# Altium PCB STM32_Serial_Ethernet.PcbDoc (part 1 of 2)
Units mm, origin at the board's own origin, x right, y up, seen from the top; angles counter-clockwise.
Board outline 88.65 x 49.28 mm, 4 copper layers (Signal, GND_1, GND_2, Signal/PWR), stack 1.608 mm thick; 121 components, 87 nets, 419 pads, 240 vias.
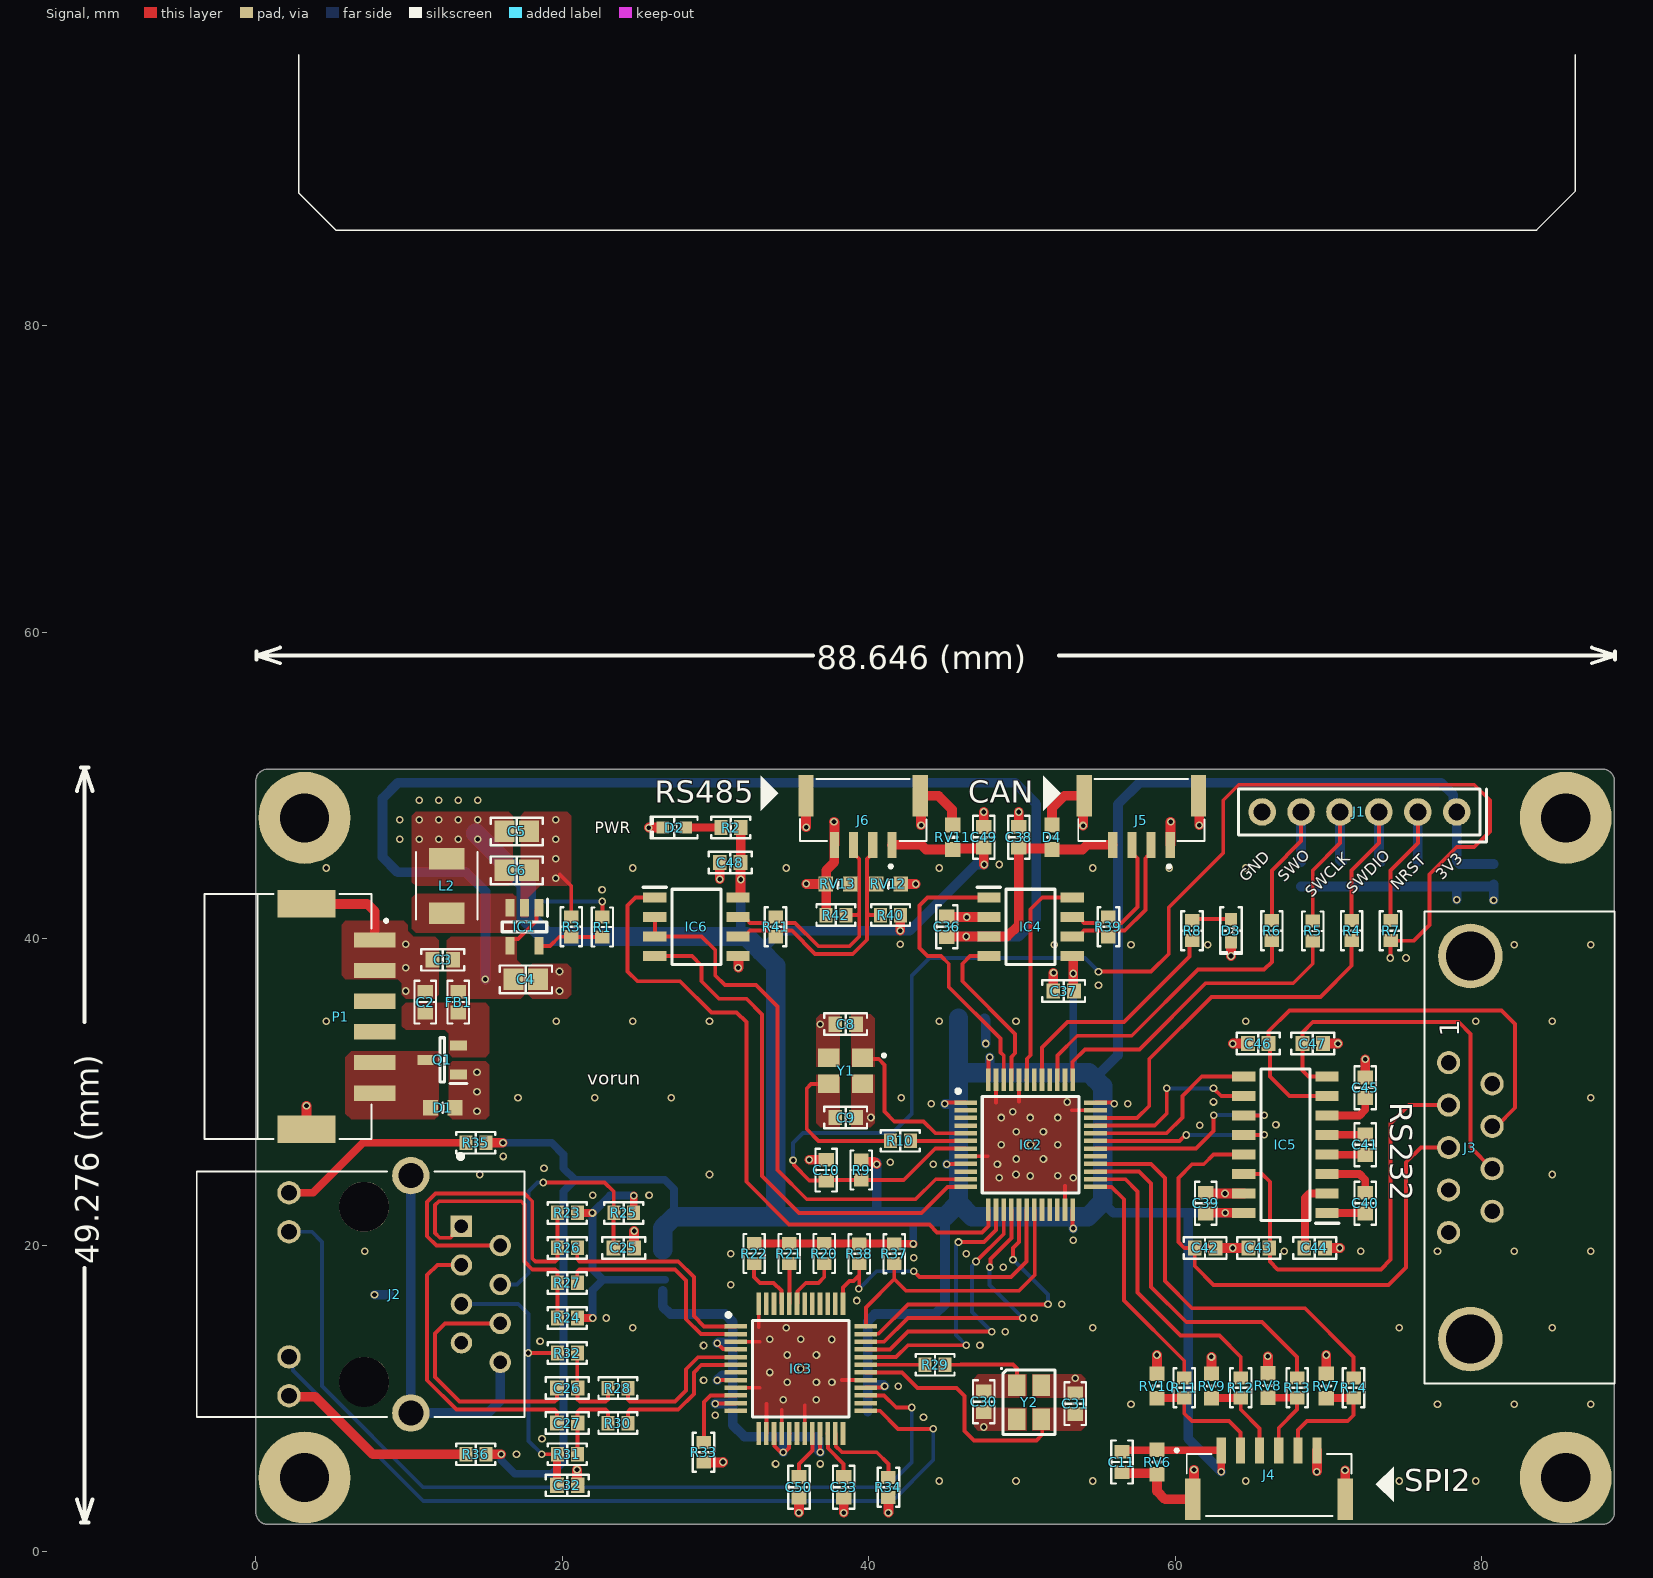
[diagram p0: Signal view]
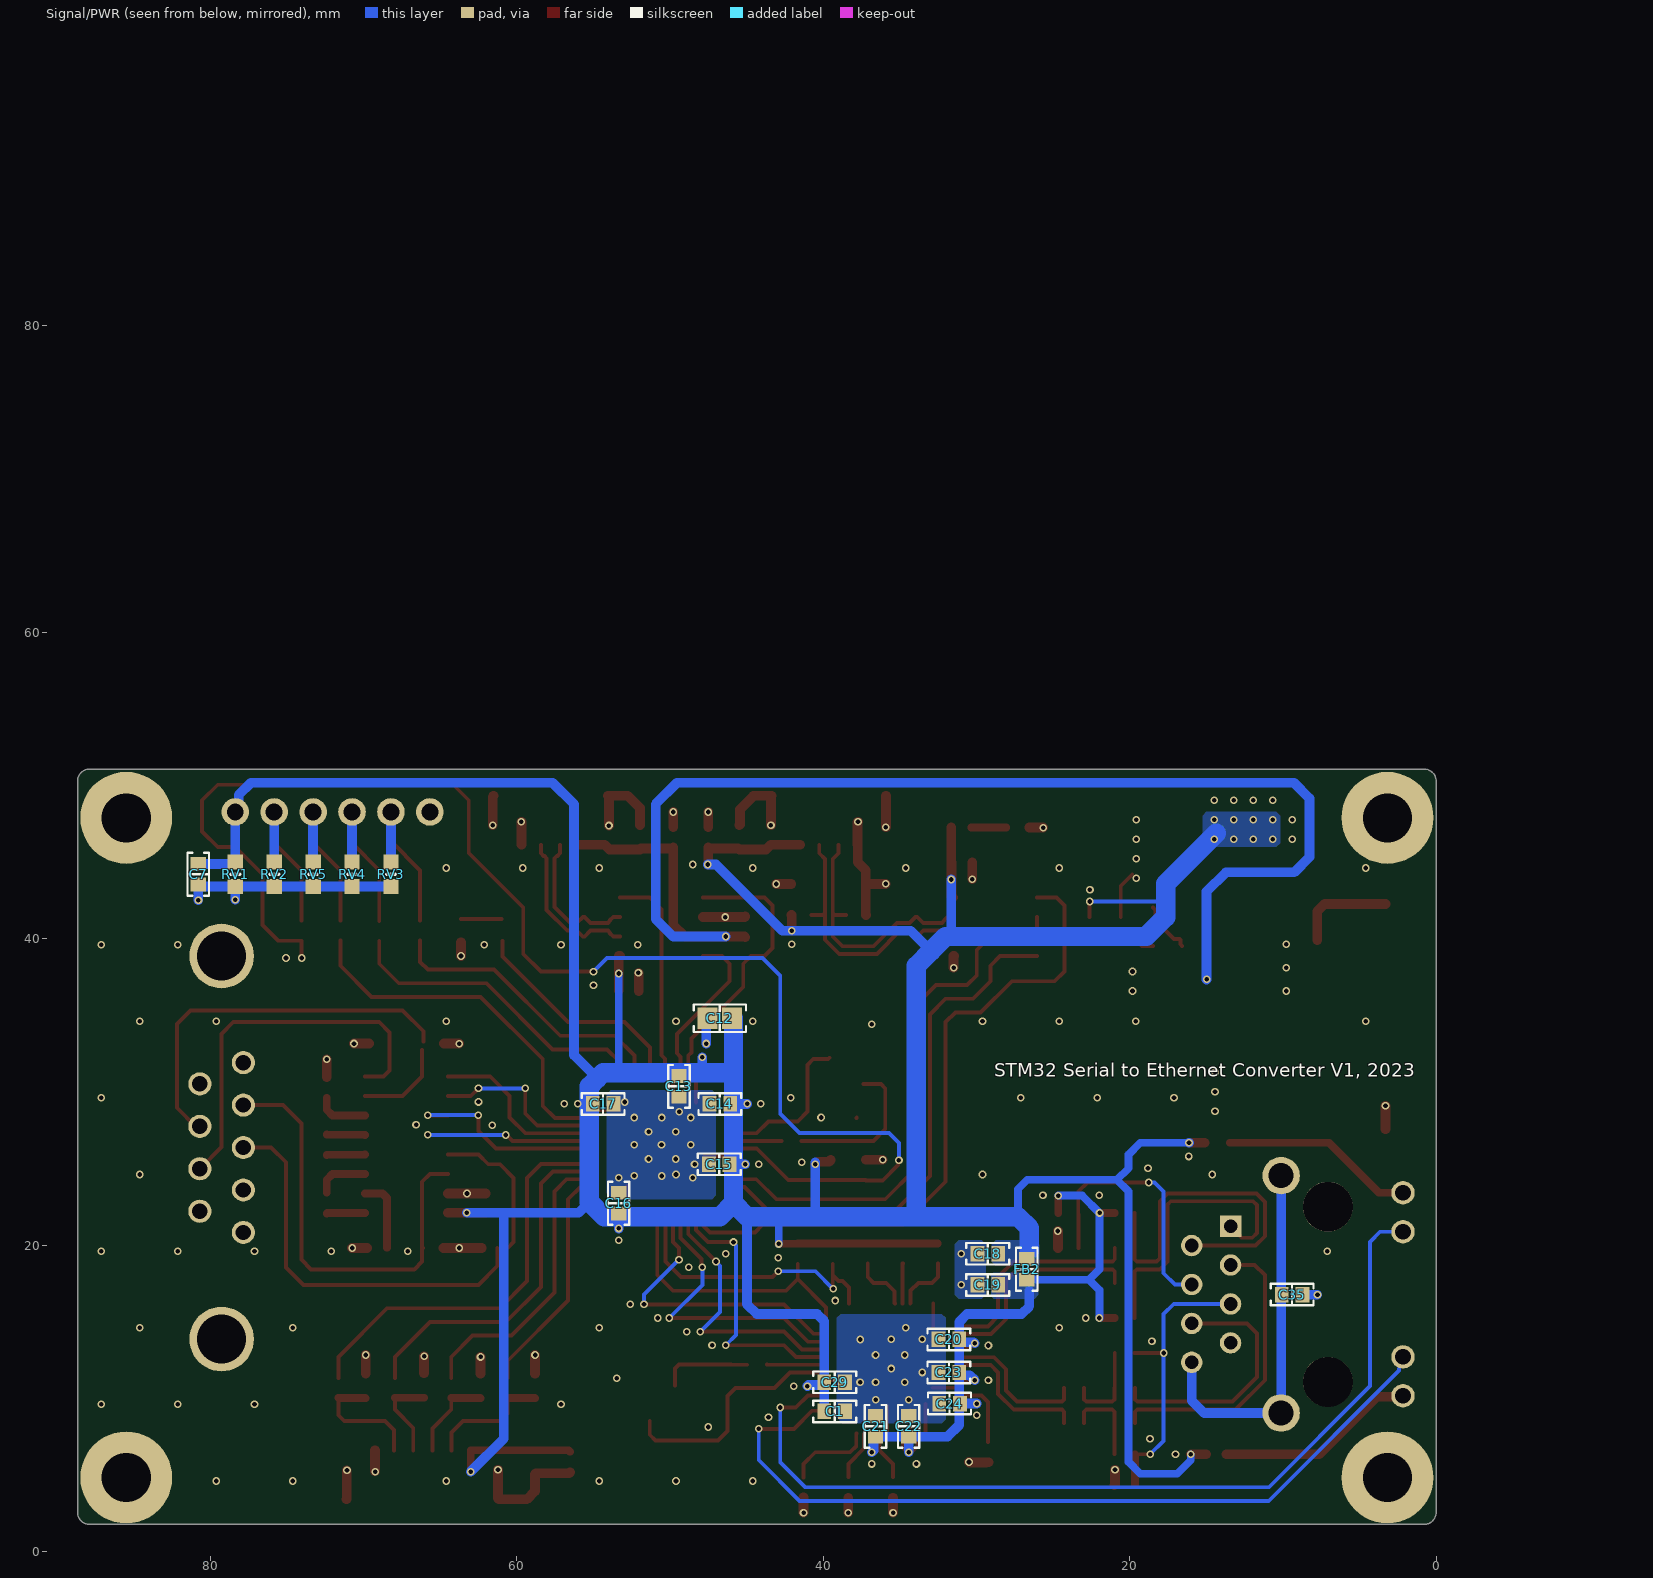
[diagram p1: Signal/PWR view, seen from below]
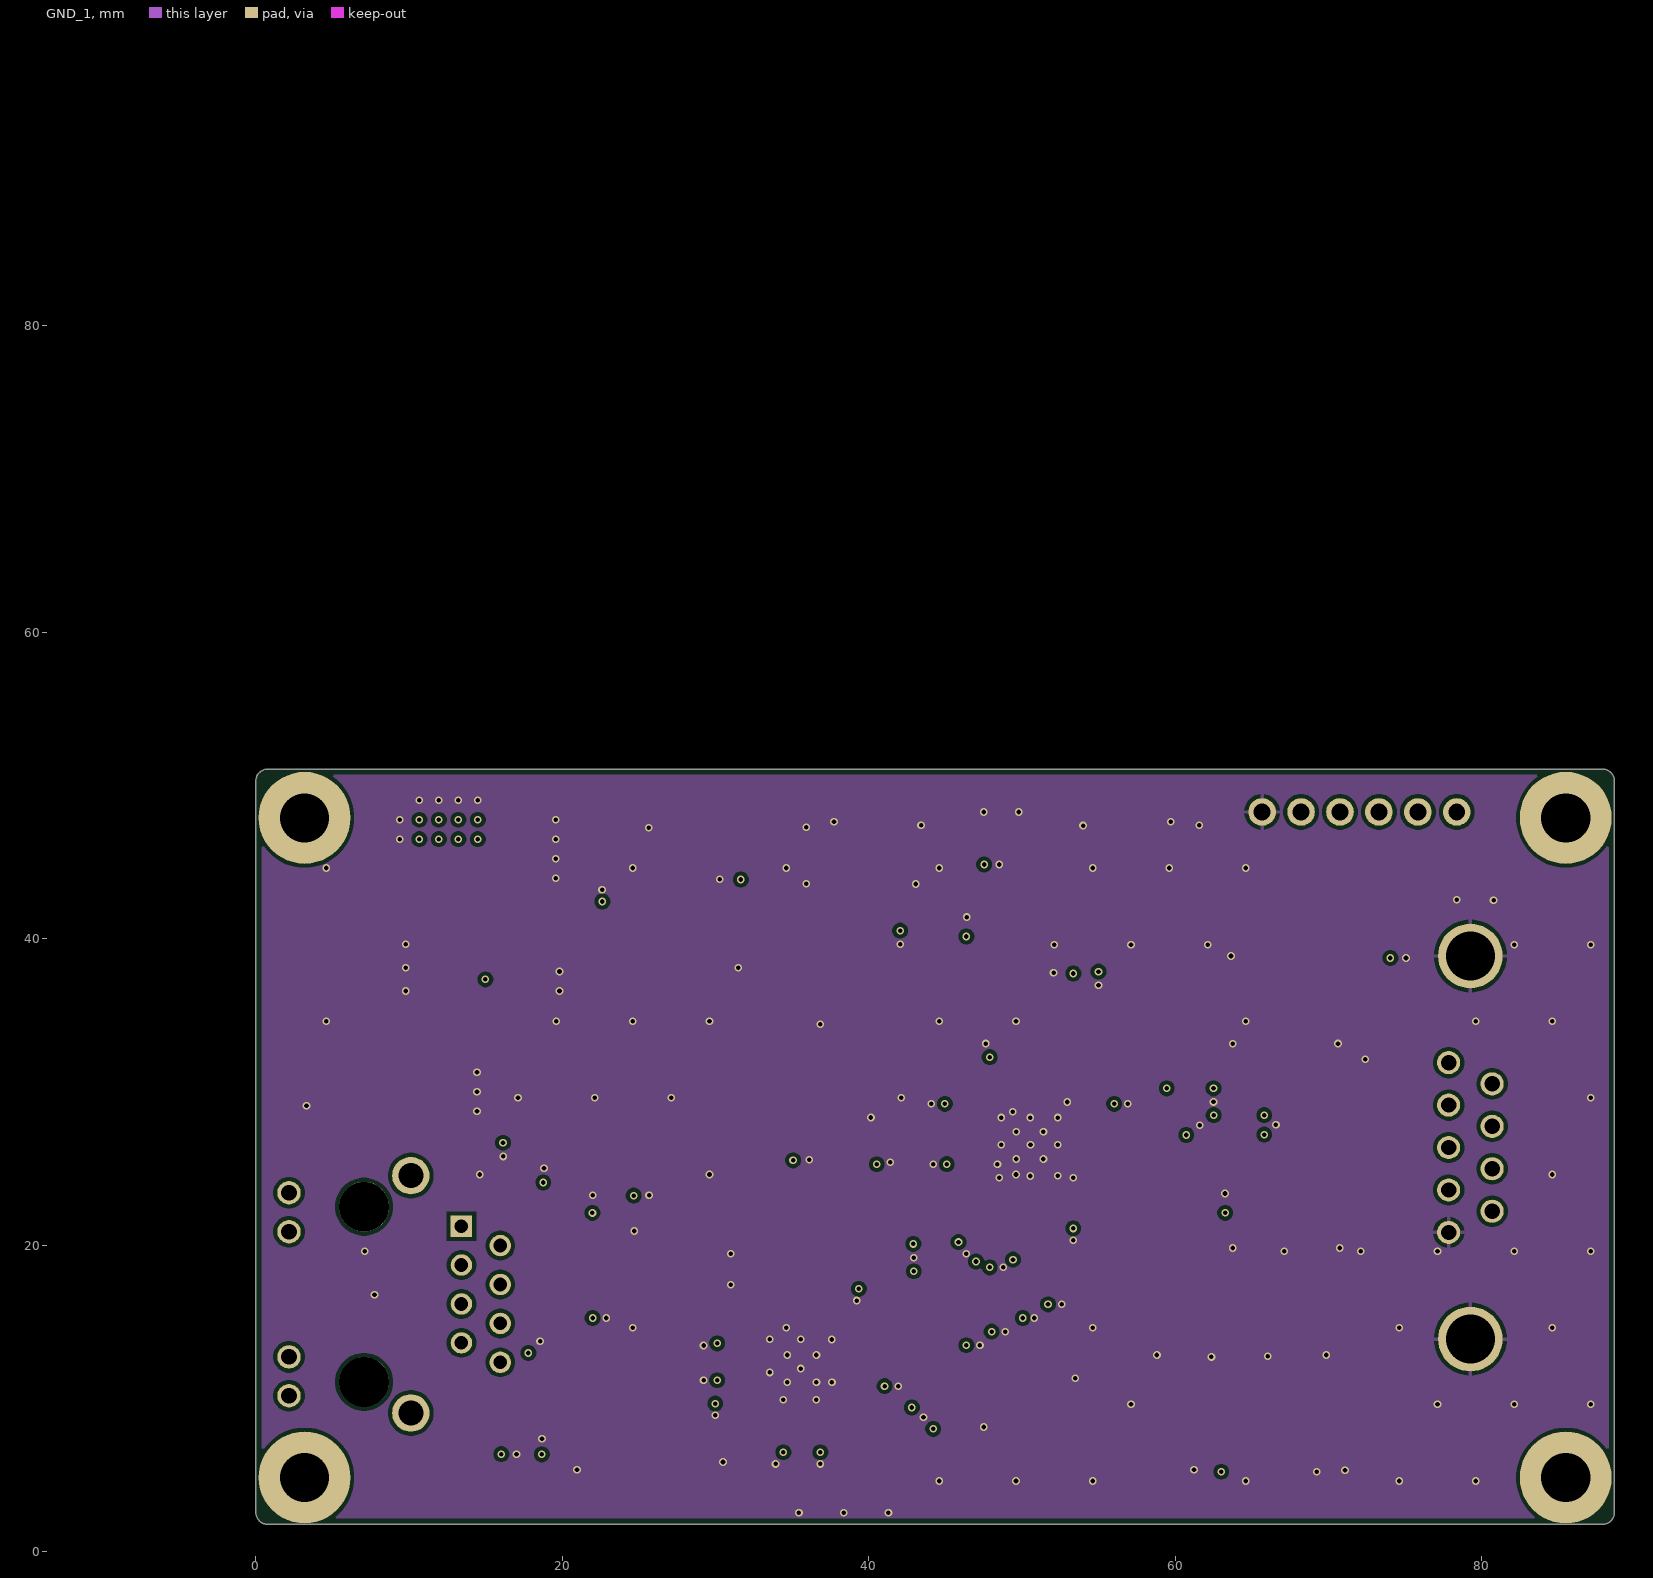
[diagram p2: GND_1]
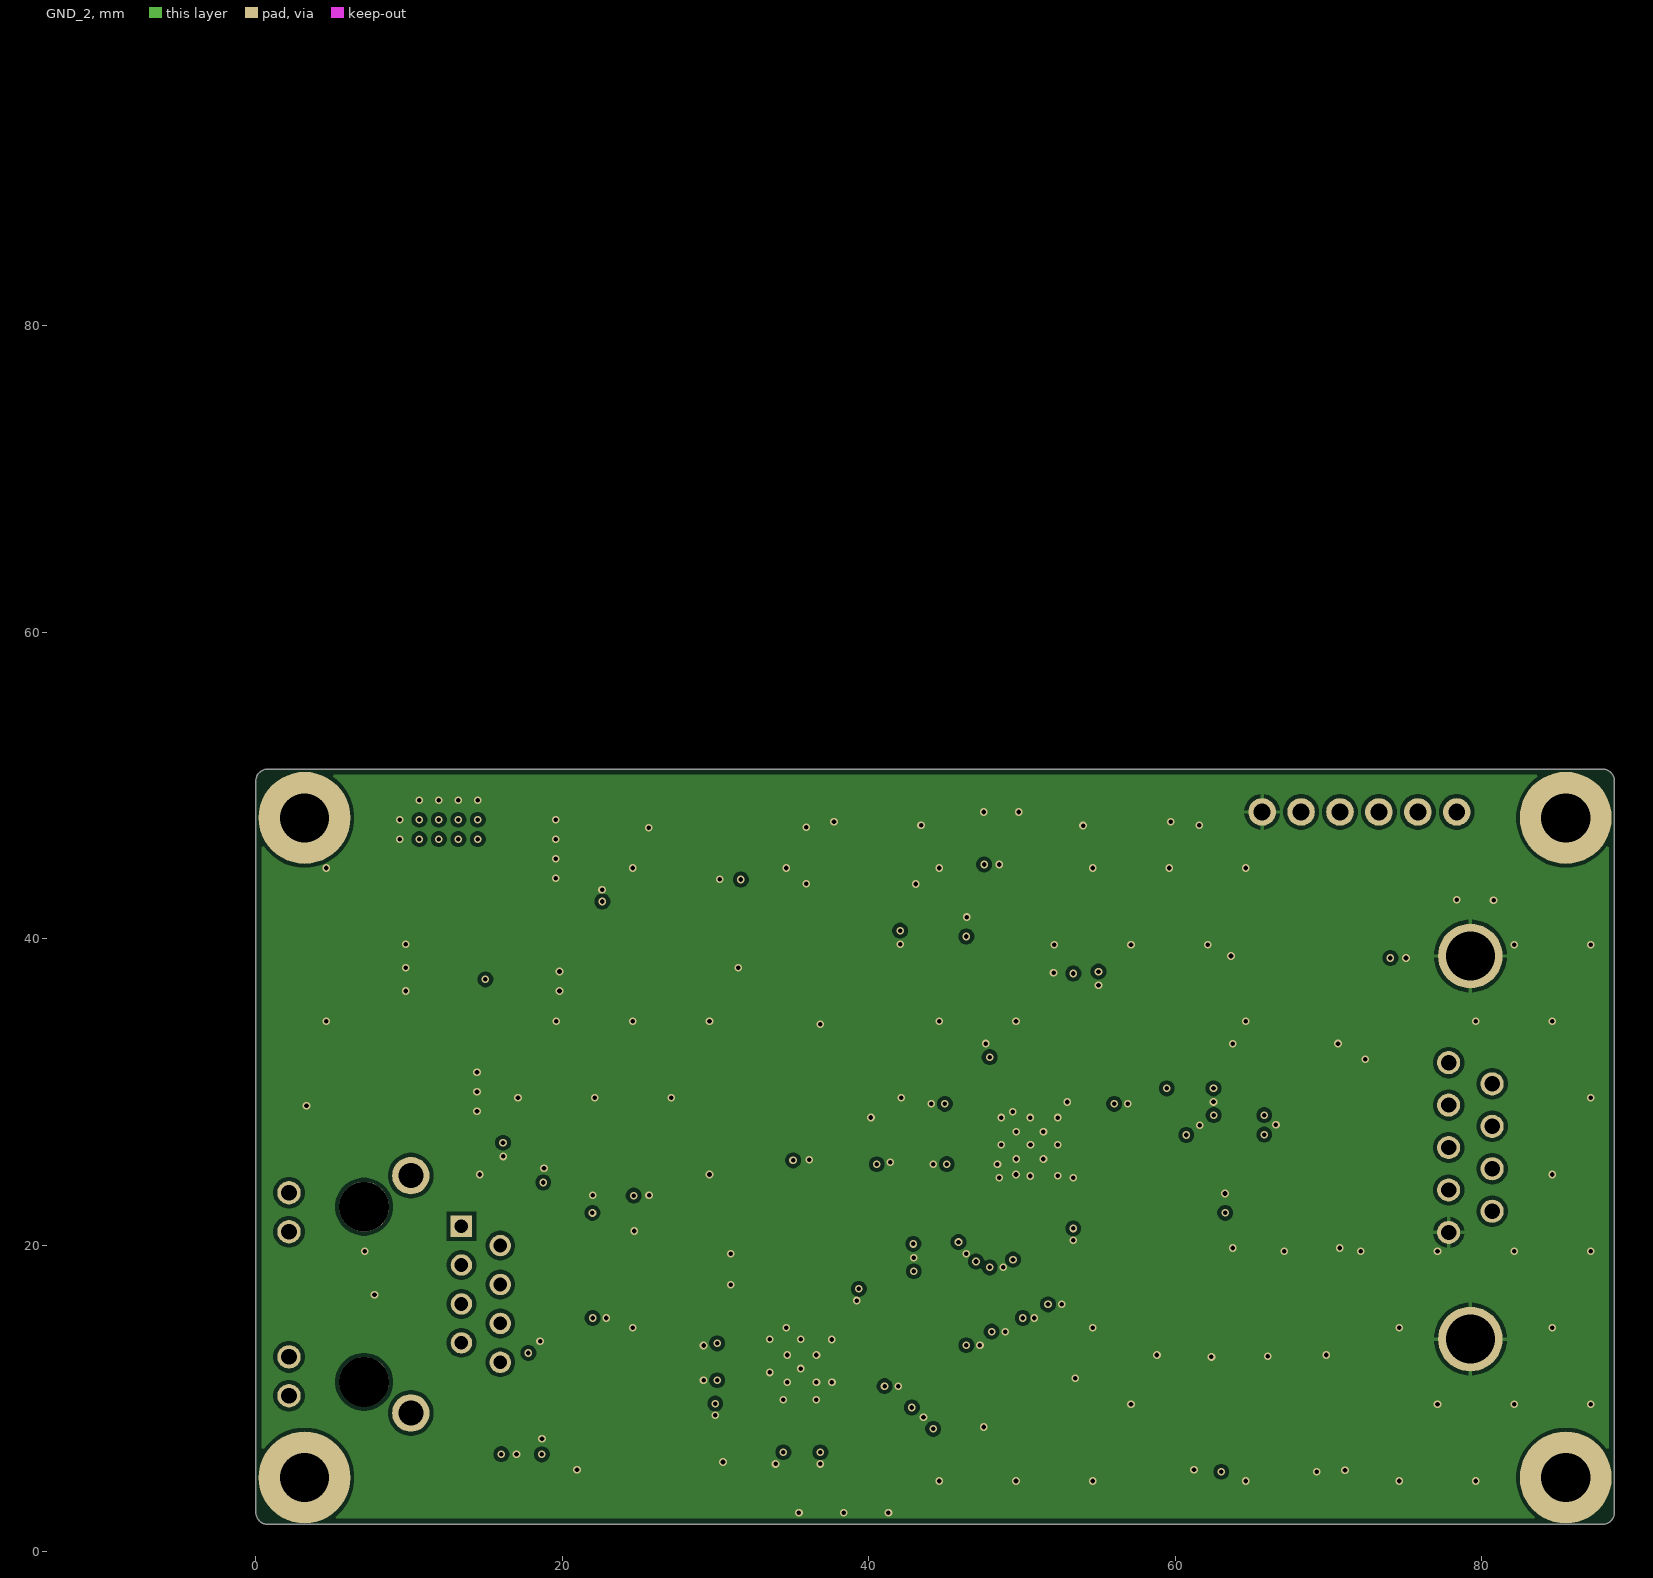
[diagram p3: GND_2]
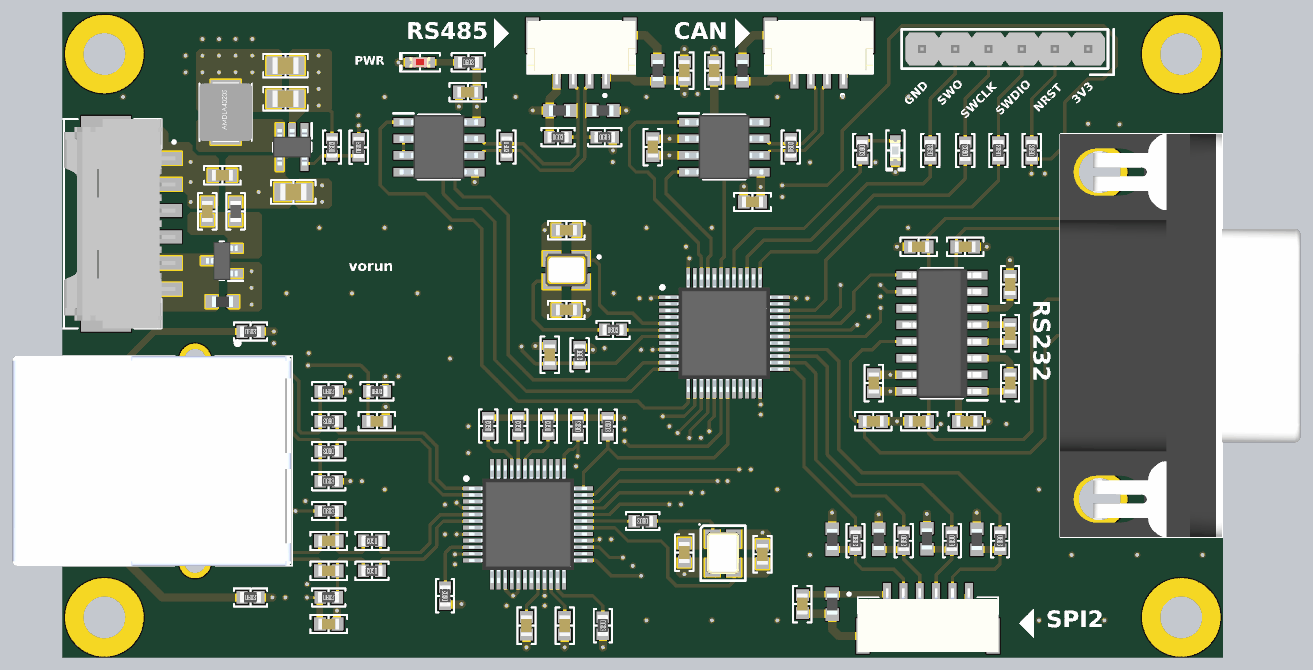
[diagram p5: 3D render of the assembled board from above, using the file's embedded part models]
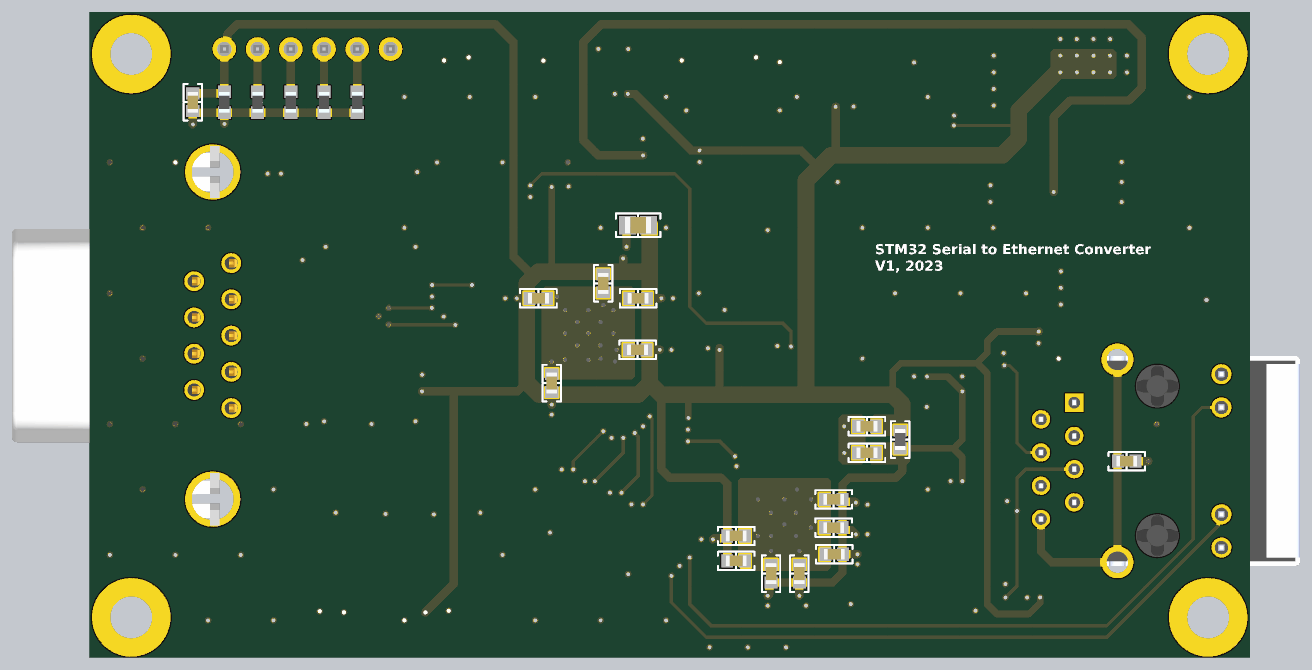
[diagram p6: 3D render of the assembled board from below, using the file's embedded part models]

## Layer stack, top to bottom
Top Solder: solder mask 0.0203, Solder Resist, Dk 3.5
Signal: signal copper 0.035
Dielectric 2: prepreg 0.2184, PP-023, Dk 4.5
GND_1: signal copper 0.018
Dielectric 1: dielectric 1.065, FR-4, Dk 4.8
GND_2: signal copper 0.018
Dielectric 3: prepreg 0.2184, PP-023, Dk 4.5
Signal/PWR: signal copper 0.035
Bottom Solder: solder mask 0.0203, Solder Resist, Dk 3.5

## Board outline
0.762,1.778 87.884,1.778 ccw(c87.884,2.54) 88.646,2.54 88.646,50.292 ccw(c87.884,50.292) 87.884,51.054 0.762,51.054 ccw(c0.762,50.292) 0,50.292 0,2.54 ccw(c0.762,2.54)

## Design rules (kind name [scope] priority, off if disabled: settings)
Clearance PolyClearance [InPolyGon] p1: gap=0.254 ignorepadtopadclearanceinfootprint=TRUE
Clearance [All] p2: gap=0.152 ignorepadtopadclearanceinfootprint=TRUE except(0: Arc-Hole Track-Hole SMDPad-Hole THPad-Hole Via-Hole Fill-Hole Poly-Hole Region-Hole Text-Hole; 0.254: SMDPad-Fill SMDPad-Poly SMDPad-Region THPad-Fill THPad-Poly THPad-Region Via-Fill Via-Poly Via-Region)
DiffPairsRouting [All] p1: maxlimit=0.254 minlimit=0.254 mostfreqgap=0.254 toplayer_minwidth=0.254 toplayer_maxwidth=0.254 toplayer_prefwidth=0.254 midlayer1_minwidth=0.254 midlayer1_maxwidth=0.254 midlayer1_prefwidth=0.254 midlayer2_minwidth=0.254 midlayer2_maxwidth=0.254 midlayer2_prefwidth=0.254 bottomlayer_minwidth=0.254 bottomlayer_maxwidth=0.254 bottomlayer_prefwidth=0.254 maxuncoupledlength=12.7
HoleSize [All] p1: absolutevalues=TRUE maxlimit=5 minlimit=0.025 maxpercent=80.000 minpercent=20.000
MinimumSolderMaskSliver [All] p1: minsoldermaskwidth=0
PolygonConnect [All] p1: connectstyle=Relief reliefconductorwidth=0.254 reliefentries=4 polygonreliefangle="90 Angle" airgapwidth=0.254
RoutingVias [All] p1: holewidth=0.711 width=1.27 viastyle="Through Hole" minholewidth=0.711 minwidth=1.27 maxholewidth=0.711 maxwidth=1.27
SilkToSolderMaskClearance [IsPad] p1: minsilkscreentomaskgap=0 clearancetoexposedcopper=TRUE
SolderMaskExpansion [All] p1: expansion=0.102 istentingtop=FALSE useseparateexpansions=TRUE expansionbottom=0.102 istentingbottom=FALSE
Width [All] p1: maxlimit=1.27 minlimit=0.254 preferedwidth=0.254 minimp=50.000000 maximp=50.000000 favimp=50.000000
26 further rules are at their usual default settings.
